# Altium PCB ic_tester.PcbDoc (part 2 of 2)
Units mm, origin at the board's own origin, x right, y up, seen from the top; angles counter-clockwise.
Board outline 163 x 108 mm, 2 copper layers (Top Layer, Bottom Layer); 236 components, 232 nets, 1123 pads, 124 vias.
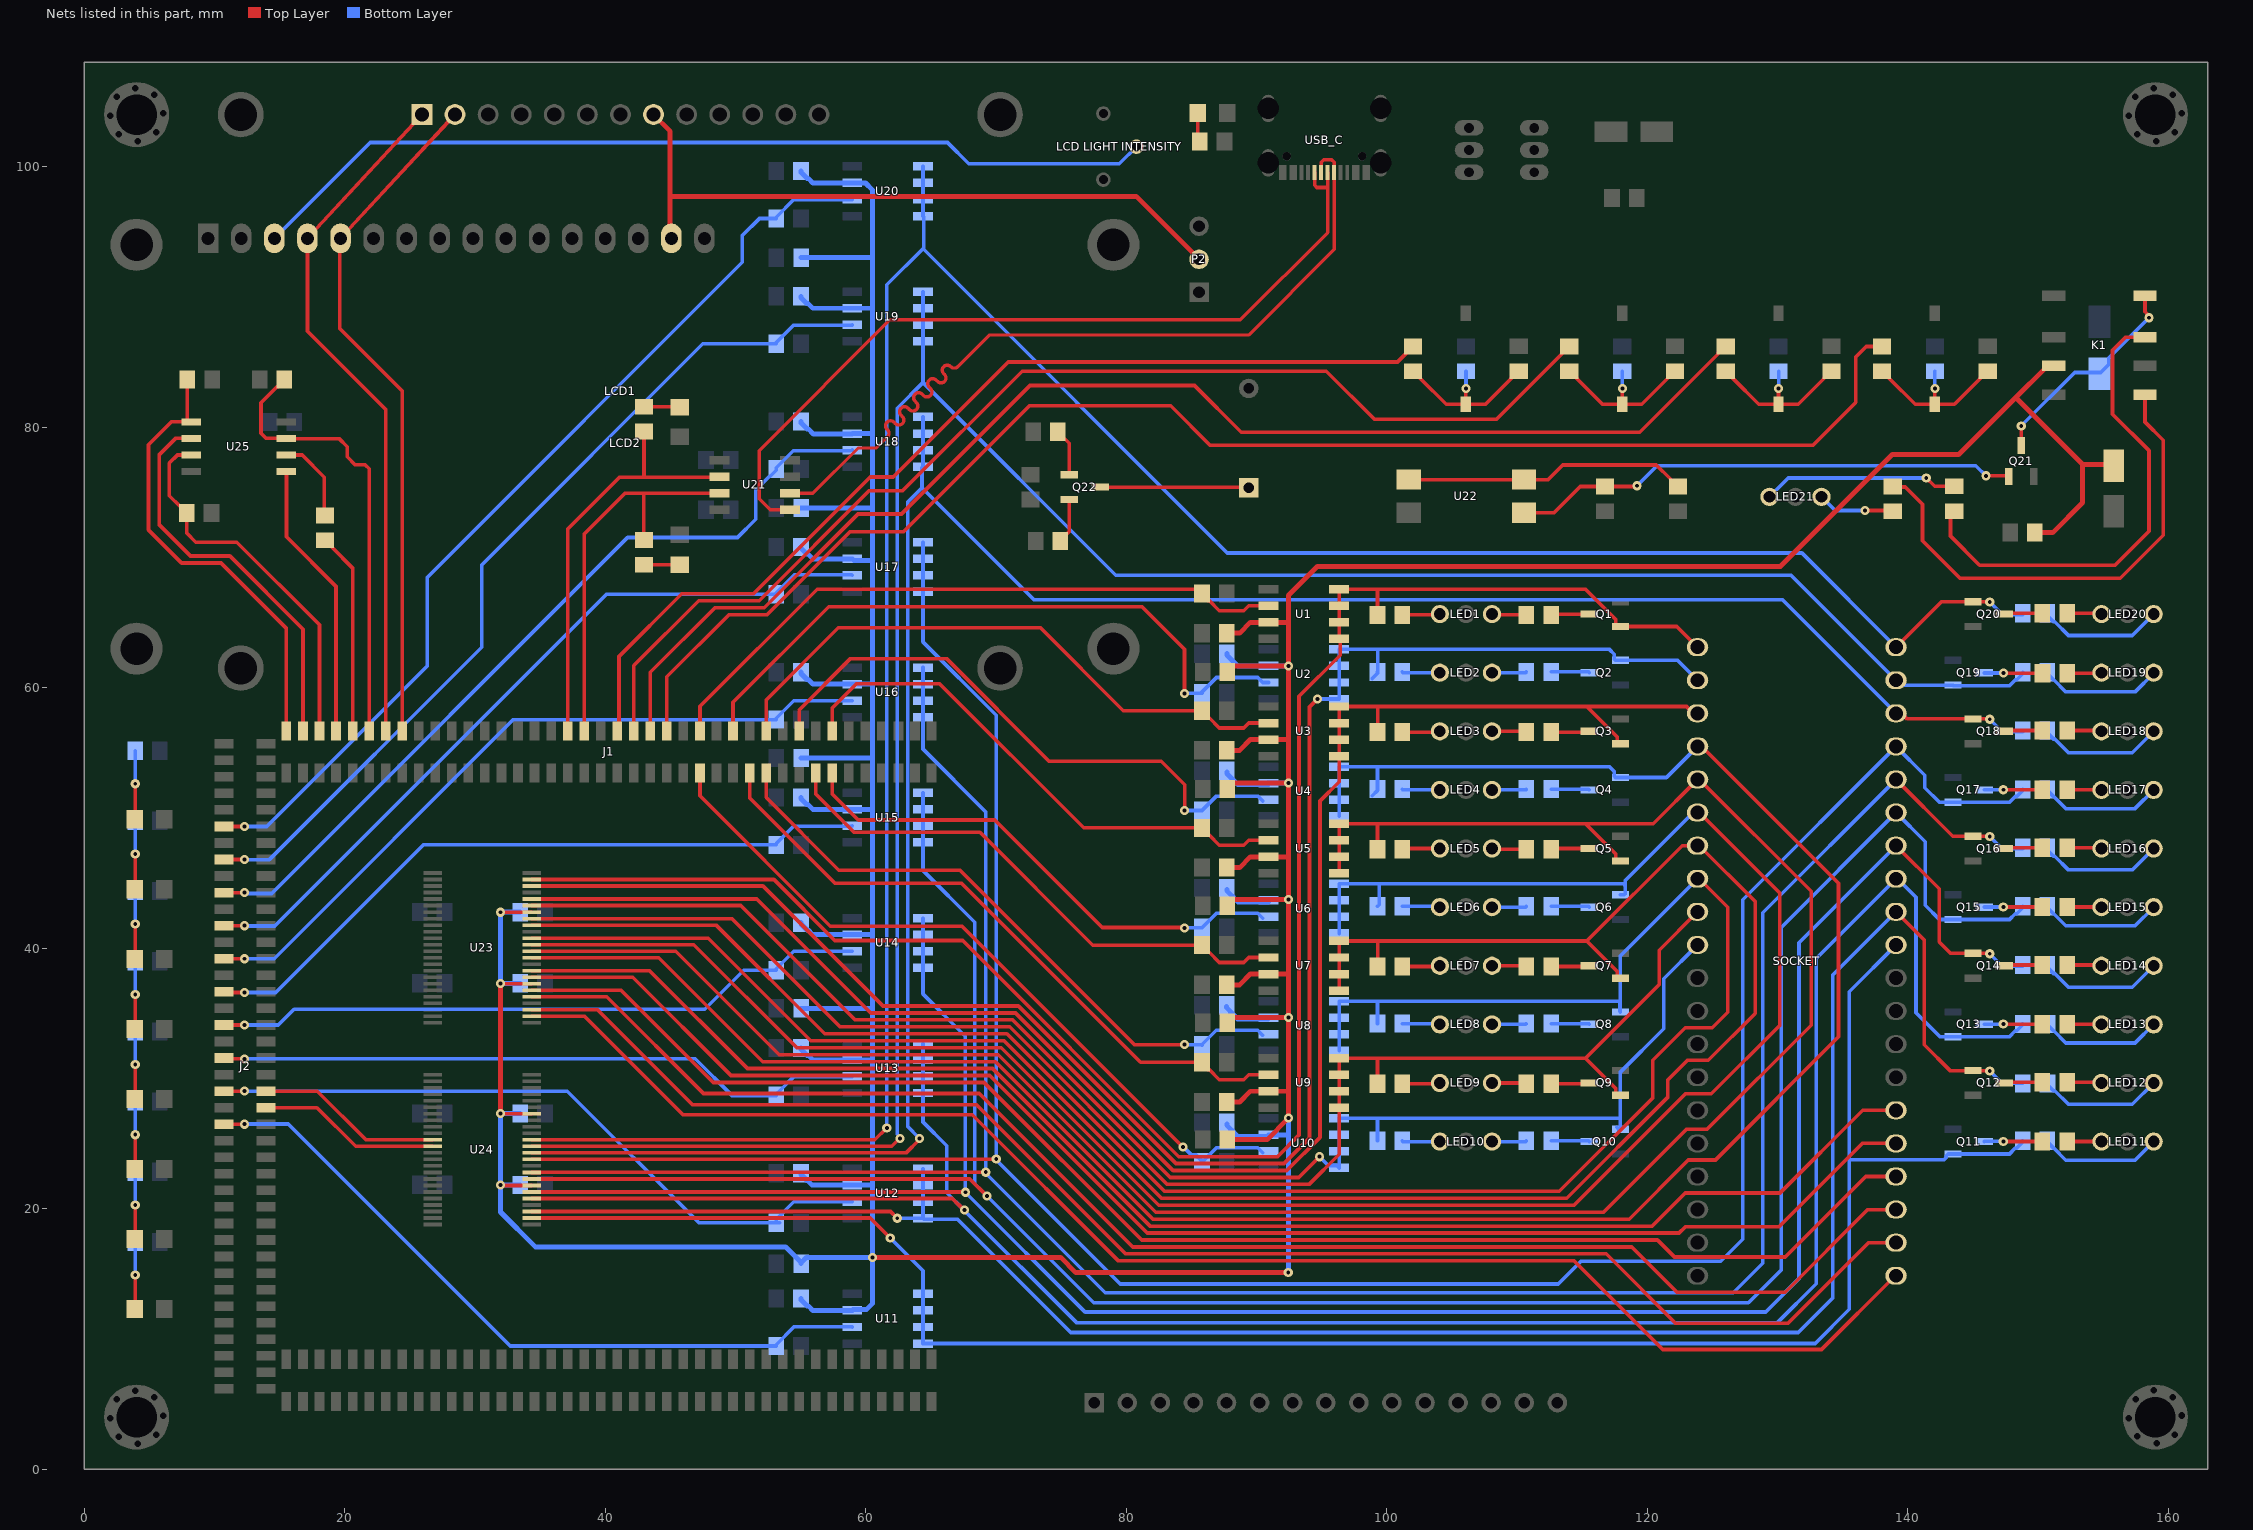
[diagram p2: the nets of this part, all layers, seen from the top]

## Via types
v1: diameter 0.7, hole 0.3, Top Layer to Bottom Layer, tented both sides, 124 vias

## Nets (pads, with @x,y where several pads share a name; then routed paths per layer and width w, separated by ;. In a path a pad name is that pad's centre, name@x,y a point inside that pad or via, vN(x,y) a via of type N, cw(c..) or ccw(c..) an arc to the next point about the centre after c; other vN are vias at no path point) (continued)
IN_P19: J2.36 U24.36 | length 14
  Top Layer w0.279: J2.36@13.945,27.755 17.844,27.755 20.818,24.781 U24.36@26.747,24.781
IN_P20: J2.38 U24.35 | length 14.4
  Top Layer w0.279: J2.38@13.945,29.025 17.874,29.025 21.618,25.281 U24.35@26.747,25.281
KEY1: J1.40 R91.1 | length 76.6
  Top Layer w0.279: J1.40@40.905,56.681 41.04,56.816 41.04,62.389 45.861,67.21 51.373,67.21 60.339,76.176 62.092,76.176 70.916,85 100.804,85 R91.1@102.001,86.197
KEY2: J1.38 R92.1 | length 90.1
  Top Layer w0.279: J1.38@42.175,56.681 42.175,61.695 47.157,66.676 51.805,66.676 60.238,75.109 62.803,75.109 71.994,84.3 95.346,84.3 99.046,80.6 108.404,80.6 113.441,85.637 113.441,85.737 113.901,86.197 R92.1@114.001,86.197
KEY3: J1.36 R93.1 | length 100.5
  Top Layer w0.279: J1.36@43.445,56.681 43.445,61.187 48.401,66.143 52.196,66.143 59.384,73.331 62.727,73.331 72.596,83.2 85.219,83.2 88.819,79.6 119.404,79.6 125.441,85.637 125.441,85.737 125.901,86.197 R93.1@126.001,86.197
KEY4: J1.34 R94.1 | length 112.5
  Top Layer w0.279: J1.34@44.715,56.681 44.715,60.831 49.493,65.61 52.417,65.61 58.767,71.96 62.879,71.96 72.557,81.637 83.404,81.637 86.441,78.6 132.699,78.6 135.999,81.9 135.999,85.394 136.802,86.197 R94.1@138.001,86.197
L_P1: J1.30 R4.2 U1.2 | length 50.2
  Top Layer w0.279: J1.30@47.255,56.681 47.255,58.57 56.25,67.565 85.472,67.565 R4.2@85.804,67.234 85.804,67.134 86.251,66.686 86.346,66.686 87.133,65.9 88.999,65.9 89.384,66.284 U1.2@90.904,66.284
L_P2: J1.26 R8.2 U2.2 | length 51.8
  Top Layer w0.279: J1.26@49.795,56.681 49.795,58.875 57.134,66.215 81.197,66.215 84.454,62.958 v1(84.454,59.556)
  Bottom Layer w0.279: v1(84.454,59.556) 84.461,59.556 84.469,59.564 R8.2@85.804,59.564 85.804,59.664 86.914,60.775 90.088,60.775 90.467,60.397 U2.2@90.904,60.397
L_P3: J1.22 R12.2 U3.2 | length 46.6
  Top Layer w0.279: J1.22@52.335,56.681 52.335,59.053 57.875,64.594 73.395,64.594 79.754,58.234 R12.2@85.804,58.234 85.804,58.134 86.251,57.686 86.346,57.686 87.133,56.9 88.999,56.9 89.384,57.284 U3.2@90.904,57.284
L_P4: J1.18 R16.2 U4.2 | length 45.4
  Top Layer w0.279: J1.18@54.875,56.681 54.875,58.291 58.815,62.231 66.181,62.231 74.055,54.357 82.666,54.357 84.469,52.554 v1(84.469,50.573)
  Bottom Layer w0.279: v1(84.469,50.573) 84.476,50.573 84.485,50.564 R16.2@85.804,50.564 86.914,51.675 90.088,51.675 U4.2@90.467,51.297
L_P5: J1.14 R20.2 U5.2 | length 41.4
  Top Layer w0.279: J1.14@57.415,56.681 57.415,58.443 59.272,60.301 65.648,60.301 76.715,49.234 R20.2@85.804,49.234 85.804,49.134 86.251,48.686 86.346,48.686 87.133,47.9 88.999,47.9 89.384,48.284 U5.2@90.904,48.284
L_P6: J1.13 R24.2 U6.2 | length 39.5
  Top Layer w0.279: J1.13@57.415,53.451 57.415,51.829 59.408,49.836 69.89,49.836 78.138,41.588 84.431,41.588 84.462,41.556 v1(84.469,41.556)
  Bottom Layer w0.279: v1(84.469,41.556) 84.476,41.556 84.485,41.564 R24.2@85.804,41.564 86.914,42.675 90.088,42.675 U6.2@90.467,42.297
L_P7: J1.15 R28.2 U7.2 | length 42
  Top Layer w0.279: J1.15@56.145,53.451 56.145,51.829 59.077,48.896 68.747,48.896 77.409,40.234 R28.2@85.804,40.234 85.804,40.134 86.251,39.686 86.346,39.686 87.133,38.9 88.999,38.9 89.384,39.284 U7.2@90.904,39.284
L_P8: J1.21 R32.2 U8.2 | length 48.5
  Top Layer w0.279: J1.21@52.335,53.451 52.335,51.575 57.92,45.99 67.216,45.99 80.616,32.59 v1(84.469,32.59)
  Bottom Layer w0.279: v1(84.469,32.59) 85.779,32.59 R32.2@85.804,32.564 ; R32.2@85.786,32.582 86.897,33.693 90.071,33.693 U8.2@90.449,33.315
L_P9: J1.23 R36.2 U9.2 | length 50.9
  Top Layer w0.279: J1.23@51.065,53.451 51.065,51.55 57.625,44.99 67.329,44.99 81.085,31.234 R36.2@85.804,31.234 85.804,31.134 86.251,30.686 86.346,30.686 87.133,29.9 88.999,29.9 89.384,30.284 U9.2@90.904,30.284
L_P10: J1.29 R40.2 U10.2 | length 57.3
  Top Layer w0.279: J1.29@47.255,53.451 47.255,51.702 57.267,41.69 67.378,41.69 v1(84.328,24.74)
  Bottom Layer w0.279: v1(84.328,24.74) 84.379,24.74 84.994,24.125 85.344,24.125 85.804,23.664 R40.2@85.804,23.564 86.914,24.675 90.088,24.675 U10.2@90.467,24.297
L_P11: J2.33 R44.2 U11.2 | length 56
  Top Layer w0.279: J2.33@10.715,26.485 v1(12.292,26.485)
  Bottom Layer w0.279: v1(12.292,26.485) 12.299,26.485 12.314,26.5 15.654,26.5 32.698,9.457 R44.2@53.108,9.457 53.108,9.557 54.475,10.923 58.941,10.923 U11.2@58.95,10.914
L_P12: J2.37 R48.2 U12.2 | length 53.3
  Top Layer w0.279: J2.37@10.715,29.025 v1(12.292,29.025)
  Bottom Layer w0.279: v1(12.292,29.025) 37.074,29.025 47.175,18.924 R48.2@53.361,18.924 ; R48.2@53.108,19.075 53.108,19.175 54.465,20.532 U12.2@58.95,20.532
L_P13: J2.41 R52.2 U13.2 | length 50.1
  Top Layer w0.279: J2.41@10.715,31.565 10.78,31.5 12.274,31.5 12.286,31.489 v1(12.292,31.489)
  Bottom Layer w0.279: v1(12.292,31.489) 12.297,31.494 12.315,31.494 12.322,31.5 46.899,31.5 49.706,28.693 R52.2@53.108,28.693 53.108,28.793 53.568,29.253 53.574,29.253 54.471,30.151 U13.2@58.95,30.151
L_P14: J2.45 R56.2 U14.2 | length 50.6
  Top Layer w0.279: J2.45@10.715,34.105 v1(12.292,34.105)
  Bottom Layer w0.279: v1(12.292,34.105) 14.885,34.105 16.094,35.315 47.621,35.315 50.618,38.311 R56.2@53.108,38.311 53.108,38.411 54.449,39.752 54.472,39.752 54.488,39.769 U14.2@58.95,39.769
L_P15: J2.49 R60.2 U15.2 | length 53.6
  Top Layer w0.279: J2.49@10.715,36.645 10.766,36.594 v1(12.292,36.594)
  Bottom Layer w0.279: v1(12.292,36.594) 12.296,36.591 14.69,36.591 26.029,47.93 R60.2@53.108,47.93 53.108,48.03 54.432,49.354 58.917,49.354 U15.2@58.95,49.387
L_P16: J2.53 R64.2 U16.2 | length 56.5
  Top Layer w0.279: J2.53@10.715,39.185 v1(12.292,39.185)
  Bottom Layer w0.279: v1(12.292,39.185) 14.56,39.185 32.923,57.548 R64.2@53.108,57.548 53.108,57.648 54.466,59.006 U16.2@58.95,59.006
L_P17: J2.57 R68.2 U17.2 | length 59.5
  Top Layer w0.279: J2.57@10.715,41.725 v1(12.292,41.725)
  Bottom Layer w0.279: v1(12.292,41.725) 12.299,41.725 12.324,41.7 14.611,41.7 40.077,67.166 R68.2@53.108,67.166 53.108,67.266 54.5,68.658 58.916,68.658 U17.2@58.95,68.623
L_P18: J2.61 R72.2 U18.2 | length 63.8
  Top Layer w0.279: J2.61@10.715,44.265 v1(12.292,44.265)
  Bottom Layer w0.279: v1(12.292,44.265) 12.299,44.265 12.364,44.2 14.371,44.2 41.698,71.526 50.14,71.526 51.537,72.923 51.537,75.159 52.602,76.224 52.648,76.224 53.108,76.684 53.108,76.884 54.406,78.183 58.891,78.183 U18.2@58.95,78.242
L_P19: J2.65 R76.2 U19.2 | length 69
  Top Layer w0.279: J2.65@10.715,46.805 v1(12.292,46.805)
  Bottom Layer w0.279: v1(12.292,46.805) 12.297,46.8 v1@12.315,46.8 ; v1@12.315,46.8 14.199,46.8 30.494,63.095 30.494,69.42 47.477,86.402 R76.2@53.108,86.402 53.108,86.502 54.44,87.835 58.925,87.835 U19.2@58.95,87.86
L_P20: J2.69 R80.2 U20.2 | length 73.4
  Top Layer w0.279: J2.69@10.715,49.345 v1(12.292,49.345)
  Bottom Layer w0.279: v1(12.292,49.345) 14.001,49.345 26.329,61.673 26.329,68.48 50.509,92.661 50.509,94.71 51.82,96.021 R80.2@53.108,96.021 53.108,96.121 54.465,97.478 U20.2@58.95,97.478
LCD_A: LCD1.8 LCD2.15 P2.2 | length 52.5
  Top Layer w0.356: LCD1.8@43.689,104 44.959,102.73 44.959,97.714 ; LCD2.15@44.959,94.595 44.959,97.714 ; P2.2@85.573,92.888 80.747,97.714 44.959,97.714
LCD_CS: J1.68 LCD1.1 LCD2.4 | length 53.3
  Top Layer w0.279: J1.68@23.125,56.681 23.125,81.361 17.119,87.366 LCD2.4@17.119,94.5 17.119,94.603 17.209,94.603 17.294,94.689 25.299,103.34 LCD1.1@25.909,104
LCD_RES: J1.66 LCD1.2 LCD2.5 | length 52.8
  Top Layer w0.279: J1.66@24.395,56.681 24.395,82.783 19.599,87.579 19.599,94.44 LCD2.5@19.659,94.5 19.659,94.602 19.748,94.602 19.833,94.688 LCD1.2@28.449,104
NetBT1_1: BT1.1 C5.2 R90.1 R91.2 | length 12.9
  Top Layer w0.279: R91.2@102.001,84.297 102.101,84.297 102.562,83.837 102.562,83.737 104.55,81.749 BT1.1@106.062,81.749 ; v1(106.069,82.965) 106.062,82.958 BT1.1@106.062,81.749 ; R90.1@110.123,84.306 110.023,84.306 109.563,83.846 109.563,83.746 107.566,81.749 BT1.1@106.062,81.749
  Bottom Layer w0.279: C5.2@106.066,84.295 106.069,84.291 v1(106.069,82.965)
NetBT2_1: BT2.1 C6.2 R89.1 R92.2 | length 12.9
  Top Layer w0.279: R92.2@114.001,84.297 114.101,84.297 114.562,83.837 114.562,83.737 116.55,81.749 BT2.1@118.062,81.749 ; v1(118.069,82.965) 118.062,82.958 BT2.1@118.062,81.749 ; R89.1@122.123,84.306 122.023,84.306 121.563,83.846 121.563,83.746 119.566,81.749 BT2.1@118.062,81.749
  Bottom Layer w0.279: C6.2@118.066,84.295 118.069,84.291 v1(118.069,82.965)
NetBT3_1: BT3.1 C7.2 R88.1 R93.2 | length 12.9
  Top Layer w0.279: R93.2@126.001,84.297 126.101,84.297 126.562,83.837 126.562,83.737 128.55,81.749 BT3.1@130.062,81.749 ; v1(130.069,82.965) 130.062,82.958 BT3.1@130.062,81.749 ; R88.1@134.123,84.306 134.023,84.306 133.563,83.846 133.563,83.746 131.566,81.749 BT3.1@130.062,81.749
  Bottom Layer w0.279: C7.2@130.066,84.295 130.069,84.291 v1(130.069,82.965)
NetBT4_1: BT4.1 C8.2 R87.1 R94.2 | length 12.9
  Top Layer w0.279: R94.2@138.001,84.297 138.101,84.297 138.562,83.837 138.562,83.737 140.55,81.749 BT4.1@142.062,81.749 ; v1(142.069,82.965) 142.062,82.958 BT4.1@142.062,81.749 ; R87.1@146.123,84.306 146.023,84.306 145.563,83.846 145.563,83.746 143.566,81.749 BT4.1@142.062,81.749
  Bottom Layer w0.279: C8.2@142.066,84.295 142.069,84.291 v1(142.069,82.965)
NetD1_1: D1.1 K1.8 Q21.3 | length 16.9
  Top Layer w0.279: Q21.3@148.7,78.594 v1(148.7,80.1) ; K1.8@158.2,90.1 158.2,88.874 158.323,88.751 158.323,88.691 158.5,88.514 v1(158.5,88.4)
  Bottom Layer w0.279: v1(148.7,80.1) 152.8,84.2 154.795,84.2 155.41,84.815 155.41,85.31 v1(158.5,88.4)
NetK1_5: K1.5 R84.1 | length 38.1
  Top Layer w0.279: R84.1@138.839,75.446 138.879,75.405 139.795,75.405 141.116,74.084 141.116,71.284 144,68.4 156.3,68.4 159.6,71.7 159.6,78.999 158.2,80.399 K1.5@158.2,82.5
NetK1_7: K1.7 R85.1 | length 37.3
  Top Layer w0.279: R85.1@143.561,73.554 143.261,73.254 143.261,71.639 145.5,69.4 155.9,69.4 158.5,72 158.5,78.2 155.7,81 155.7,85.9 156.7,86.9 K1.7@158.2,86.9
NetL1_2: R81.1 RXD.2 | length 2.8
  Top Layer w0.279: R81.1@42.95,69.435 42.96,69.445 RXD.2@45.709,69.445
NetL2_2: R82.1 TXD.2 | length 3
  Top Layer w0.279: R82.1@42.956,81.571 45.673,81.571 TXD.2@45.709,81.535 TXD.2@45.877,81.368
NetL3_1: PWR.1 R102.2 | length 2.3
  Top Layer w0.279: PWR.1@85.463,104.13 85.463,102.091 R102.2@85.622,101.932
NetL4_1: L4.1 R103.2 | length 5.2
  Top Layer w0.254: L4.1@3.856,12.3 3.899,12.343 v1(3.899,14.9)
  Bottom Layer w0.254: R103.2@3.891,17.441 3.891,14.909 v1(3.899,14.9)
NetL5_1: L5.1 R104.2 | length 5.2
  Top Layer w0.254: L5.1@3.856,17.689 3.899,17.732 v1(3.899,20.289)
  Bottom Layer w0.254: R104.2@3.891,22.83 3.891,20.298 v1(3.899,20.289)
NetL6_1: L6.1 R105.2 | length 5.2
  Top Layer w0.254: L6.1@3.856,23.078 3.899,23.121 v1(3.899,25.678)
  Bottom Layer w0.254: R105.2@3.891,28.219 3.891,25.687 v1(3.899,25.678)
NetL7_1: L7.1 R106.2 | length 5.2
  Top Layer w0.254: L7.1@3.856,28.467 3.899,28.51 v1(3.899,31.067)
  Bottom Layer w0.254: R106.2@3.891,33.608 3.891,31.076 v1(3.899,31.067)
NetL8_1: L8.1 R107.2 | length 5.2
  Top Layer w0.254: L8.1@3.856,33.856 3.899,33.899 v1(3.899,36.456)
  Bottom Layer w0.254: R107.2@3.891,38.997 3.891,36.465 v1(3.899,36.456)
NetL9_1: L9.1 R108.2 | length 5.2
  Top Layer w0.254: L9.1@3.856,39.246 3.899,39.289 v1(3.899,41.846)
  Bottom Layer w0.254: R108.2@3.891,44.386 3.891,41.854 v1(3.899,41.846)
NetL10_1: L10.1 R109.2 | length 5.2
  Top Layer w0.254: L10.1@3.856,44.635 3.899,44.678 v1(3.899,47.235)
  Bottom Layer w0.254: R109.2@3.891,49.775 3.891,47.243 v1(3.899,47.235)
NetL11_1: L11.1 R110.2 | length 5.2
  Top Layer w0.254: L11.1@3.856,50.024 3.899,50.067 v1(3.899,52.624)
  Bottom Layer w0.254: R110.2@3.891,55.165 3.891,52.633 v1(3.899,52.624)
NetLCD2_3: "LCD LIGHT INTENSITY.2" LCD2.3 | length 70.4
  Bottom Layer w0.279: LCD2.3@14.579,94.5 14.579,94.505 15.178,95.103 15.183,95.103 21.935,101.855 66.257,101.855 67.883,100.23 79.454,100.23 80.764,101.539
NetLED1_1: LED1.1 R3.2 | length 2.9
  Top Layer w0.279: R3.2@101.175,65.588 104.001,65.588 LED1.1@104.062,65.649
NetLED1_3: LED1.3 R1.1 | length 2.7
  Top Layer w0.279: LED1.3@108.062,65.649 108.123,65.588 R1.1@110.705,65.588
NetLED2_1: LED2.1 R7.2 | length 2.9
  Bottom Layer w0.279: R7.2@101.175,61.21 101.235,61.149 LED2.1@104.062,61.149
NetLED2_3: LED2.3 R5.1 | length 2.9
  Bottom Layer w0.279: LED2.3@107.899,61.2 107.95,61.149 LED2.3@108.062,61.149 110.644,61.149 R5.1@110.705,61.21
NetLED3_1: LED3.1 R11.2 | length 2.9
  Top Layer w0.279: R11.2@101.175,56.588 104.001,56.588 LED3.1@104.062,56.649
NetLED3_3: LED3.3 R9.1 | length 2.7
  Top Layer w0.279: LED3.3@108.062,56.649 110.644,56.649 R9.1@110.705,56.588
NetLED4_1: LED4.1 R15.2 | length 2.9
  Bottom Layer w0.279: R15.2@101.175,52.21 101.235,52.149 LED4.1@104.062,52.149
NetLED4_3: LED4.3 R13.1 | length 2.7
  Bottom Layer w0.279: LED4.3@108.062,52.149 110.644,52.149 R13.1@110.705,52.21
NetLED5_1: LED5.1 R19.2 | length 2.9
  Top Layer w0.279: R19.2@101.175,47.588 101.235,47.649 LED5.1@104.062,47.649
NetLED5_3: LED5.3 R17.1 | length 2.7
  Top Layer w0.279: LED5.3@108.062,47.649 108.123,47.588 R17.1@110.705,47.588
NetLED6_1: LED6.1 R23.2 | length 2.9
  Bottom Layer w0.279: R23.2@101.175,43.21 104.001,43.21 LED6.1@104.062,43.149
NetLED6_3: LED6.3 R21.1 | length 2.7
  Bottom Layer w0.279: LED6.3@108.062,43.149 110.644,43.149 R21.1@110.705,43.21
NetLED7_1: LED7.1 R27.2 | length 2.9
  Top Layer w0.279: R27.2@101.175,38.588 104.001,38.588 LED7.1@104.062,38.649
NetLED7_3: LED7.3 R25.1 | length 2.7
  Top Layer w0.279: LED7.3@108.062,38.649 110.644,38.649 R25.1@110.705,38.588
NetLED8_1: LED8.1 R31.2 | length 2.9
  Bottom Layer w0.279: R31.2@101.175,34.21 104.001,34.21 LED8.1@104.062,34.149
NetLED8_3: LED8.3 R29.1 | length 2.7
  Bottom Layer w0.279: LED8.3@108.062,34.149 110.644,34.149 R29.1@110.705,34.21
NetLED9_1: LED9.1 R35.2 | length 2.9
  Top Layer w0.279: R35.2@101.175,29.588 104.001,29.588 LED9.1@104.062,29.649
NetLED9_3: LED9.3 R33.1 | length 2.7
  Top Layer w0.279: LED9.3@108.062,29.649 110.644,29.649 R33.1@110.705,29.588
NetLED10_1: LED10.1 R39.2 | length 2.9
  Bottom Layer w0.279: R39.2@101.175,25.21 101.235,25.149 LED10.1@104.062,25.149
NetLED10_3: LED10.3 R37.1 | length 2.7
  Bottom Layer w0.279: LED10.3@108.062,25.149 110.644,25.149 R37.1@110.705,25.21
NetLED11_1: LED11.1 R43.2 | length 9.4
  Bottom Layer w0.279: R43.2@150.705,25.21 150.705,25.11 151.165,24.65 151.183,24.65 152.116,23.716 157.429,23.716 LED11.1@158.862,25.149
NetLED11_3: LED11.3 R41.1 | length 2.6
  Top Layer w0.279: R41.1@152.22,25.159 154.852,25.159 LED11.3@154.862,25.149
NetLED12_1: LED12.1 R47.2 | length 9.6
  Bottom Layer w0.279: R47.2@150.712,29.619 150.712,29.519 151.172,29.059 151.272,29.059 152.322,28.009 157.222,28.009 LED12.1@158.862,29.649
NetLED12_3: LED12.3 R45.1 | length 2.7
  Top Layer w0.279: R45.1@152.22,29.71 154.801,29.71 LED12.3@154.862,29.649
NetLED13_1: LED13.1 R51.2 | length 9.4
  Bottom Layer w0.279: R51.2@150.705,34.21 150.705,34.11 151.165,33.65 151.183,33.65 152.116,32.716 157.429,32.716 LED13.1@158.862,34.149
NetLED13_3: LED13.3 R49.1 | length 2.6
  Top Layer w0.279: R49.1@152.22,34.159 154.852,34.159 LED13.3@154.862,34.149
NetLED14_1: LED14.1 R55.2 | length 9.6
  Bottom Layer w0.279: R55.2@150.712,38.619 150.712,38.519 151.172,38.059 151.272,38.059 152.322,37.009 157.222,37.009 LED14.1@158.862,38.649
NetLED14_3: LED14.3 R53.1 | length 2.7
  Top Layer w0.279: R53.1@152.22,38.71 154.801,38.71 LED14.3@154.862,38.649
NetLED15_1: LED15.1 R59.2 | length 9.4
  Bottom Layer w0.279: R59.2@150.705,43.21 150.705,43.11 151.165,42.65 151.183,42.65 152.116,41.716 157.429,41.716 LED15.1@158.862,43.149
NetLED15_3: LED15.3 R57.1 | length 2.6
  Top Layer w0.279: R57.1@152.22,43.159 154.852,43.159 LED15.3@154.862,43.149
NetLED16_1: LED16.1 R63.2 | length 9.6
  Bottom Layer w0.279: R63.2@150.712,47.619 150.712,47.519 151.172,47.059 151.272,47.059 152.322,46.009 157.222,46.009 LED16.1@158.862,47.649
NetLED16_3: LED16.3 R61.1 | length 2.7
  Top Layer w0.279: R61.1@152.22,47.71 154.801,47.71 LED16.3@154.862,47.649
NetLED17_1: LED17.1 R67.2 | length 9.4
  Bottom Layer w0.279: R67.2@150.705,52.21 150.705,52.11 151.165,51.65 151.183,51.65 152.116,50.716 157.429,50.716 LED17.1@158.862,52.149
NetLED17_3: LED17.3 R65.1 | length 2.6
  Top Layer w0.279: R65.1@152.22,52.159 154.852,52.159 LED17.3@154.862,52.149
NetLED18_1: LED18.1 R71.2 | length 9.6
  Bottom Layer w0.279: R71.2@150.712,56.619 150.712,56.519 151.172,56.059 151.272,56.059 152.322,55.009 157.222,55.009 LED18.1@158.862,56.649
NetLED18_3: LED18.3 R69.1 | length 2.7
  Top Layer w0.279: R69.1@152.22,56.71 154.801,56.71 LED18.3@154.862,56.649
NetLED19_1: LED19.1 R75.2 | length 9.4
  Bottom Layer w0.279: R75.2@150.712,61.166 150.712,61.066 151.172,60.606 151.19,60.606 152.123,59.672 157.436,59.672 LED19.1@158.869,61.105
NetLED19_3: LED19.3 R73.1 | length 2.6
  Top Layer w0.279: R73.1@152.227,61.115 154.859,61.115 LED19.3@154.869,61.105
NetLED20_1: LED20.1 R79.2 | length 9.6
  Bottom Layer w0.279: R79.2@150.712,65.619 150.712,65.519 151.172,65.059 151.272,65.059 152.322,64.009 157.222,64.009 LED20.1@158.862,65.649
NetLED20_3: LED20.3 R77.1 | length 2.8
  Top Layer w0.279: R77.1@152.281,65.649 R77.1@152.22,65.71 154.801,65.71 LED20.3@154.862,65.649
NetLED21_1: LED21.1 R85.2 | length 15.1
  Top Layer w0.279: v1(141.4,76.1) 142.046,75.454 R85.2@143.561,75.454
  Bottom Layer w0.279: LED21.1@129.362,74.649 130.813,76.1 v1(141.4,76.1)
NetLED21_3: LED21.3 R84.2 | length 5.9
  Top Layer w0.279: v1(136.699,73.6) 138.785,73.6 R84.2@138.839,73.546
  Bottom Layer w0.279: LED21.3@133.362,74.649 134.411,73.6 v1(136.699,73.6)
NetLS1_1: BUZZER.1 Q22.3 | length 11.4
  Top Layer w0.279: Q22.3@77.993,75.4 89.352,75.4 BUZZER.1@89.4,75.352
NetQ1_3: Q1.3 R1.2 | length 3
  Top Layer w0.279: R1.2@112.605,65.588 112.665,65.649 Q1.3@115.536,65.649
NetQ2_3: Q2.3 R5.2 | length 3
  Bottom Layer w0.279: R5.2@112.605,61.21 115.476,61.21 Q2.3@115.536,61.149
NetQ3_3: Q3.3 R9.2 | length 3
  Top Layer w0.279: R9.2@112.605,56.588 115.476,56.588 Q3.3@115.536,56.649
NetQ4_3: Q4.3 R13.2 | length 3
  Bottom Layer w0.279: R13.2@112.605,52.21 115.476,52.21 Q4.3@115.536,52.149
NetQ5_3: Q5.3 R17.2 | length 3
  Top Layer w0.279: R17.2@112.605,47.588 112.665,47.649 Q5.3@115.536,47.649
NetQ6_3: Q6.3 R21.2 | length 3
  Bottom Layer w0.279: R21.2@112.605,43.21 115.476,43.21 Q6.3@115.536,43.149
NetQ7_3: Q7.3 R25.2 | length 3
  Top Layer w0.279: R25.2@112.605,38.588 115.476,38.588 Q7.3@115.536,38.649
NetQ8_3: Q8.3 R29.2 | length 3
  Bottom Layer w0.279: R29.2@112.605,34.21 115.476,34.21 Q8.3@115.536,34.149
NetQ9_3: Q9.3 R33.2 | length 3
  Top Layer w0.279: R33.2@112.605,29.588 115.476,29.588 Q9.3@115.536,29.649
NetQ10_3: Q10.3 R37.2 | length 3
  Bottom Layer w0.279: R37.2@112.605,25.21 115.476,25.21 Q10.3@115.536,25.149
NetQ11_3: Q11.3 R41.2 | length 4.5
  Top Layer w0.279: v1(147.319,25.165) 147.325,25.159 R41.2@150.32,25.159
  Bottom Layer w0.279: Q11.3@145.856,25.149 145.871,25.164 v1(147.319,25.165)
NetQ12_3: Q12.3 R45.2 | length 3
  Top Layer w0.279: Q12.3@147.388,29.649 147.449,29.71 R45.2@150.32,29.71
NetQ13_3: Q13.3 R49.2 | length 4.5
  Top Layer w0.279: v1(147.319,34.165) 147.325,34.159 R49.2@150.32,34.159
  Bottom Layer w0.279: Q13.3@145.856,34.149 145.871,34.164 v1@147.319,34.164
NetQ14_3: Q14.3 R53.2 | length 3
  Top Layer w0.279: Q14.3@147.388,38.649 147.449,38.71 R53.2@150.32,38.71
NetQ15_3: Q15.3 R57.2 | length 4.5
  Top Layer w0.279: v1(147.319,43.165) 147.325,43.159 R57.2@150.32,43.159
  Bottom Layer w0.279: Q15.3@145.856,43.149 145.871,43.164 v1(147.319,43.165)
NetQ16_3: Q16.3 R61.2 | length 3
  Top Layer w0.279: Q16.3@147.388,47.649 147.449,47.71 R61.2@150.32,47.71